# Altium PCB LimePSB-RPCM_1v5.PcbDoc (part 8 of 12) (continued)
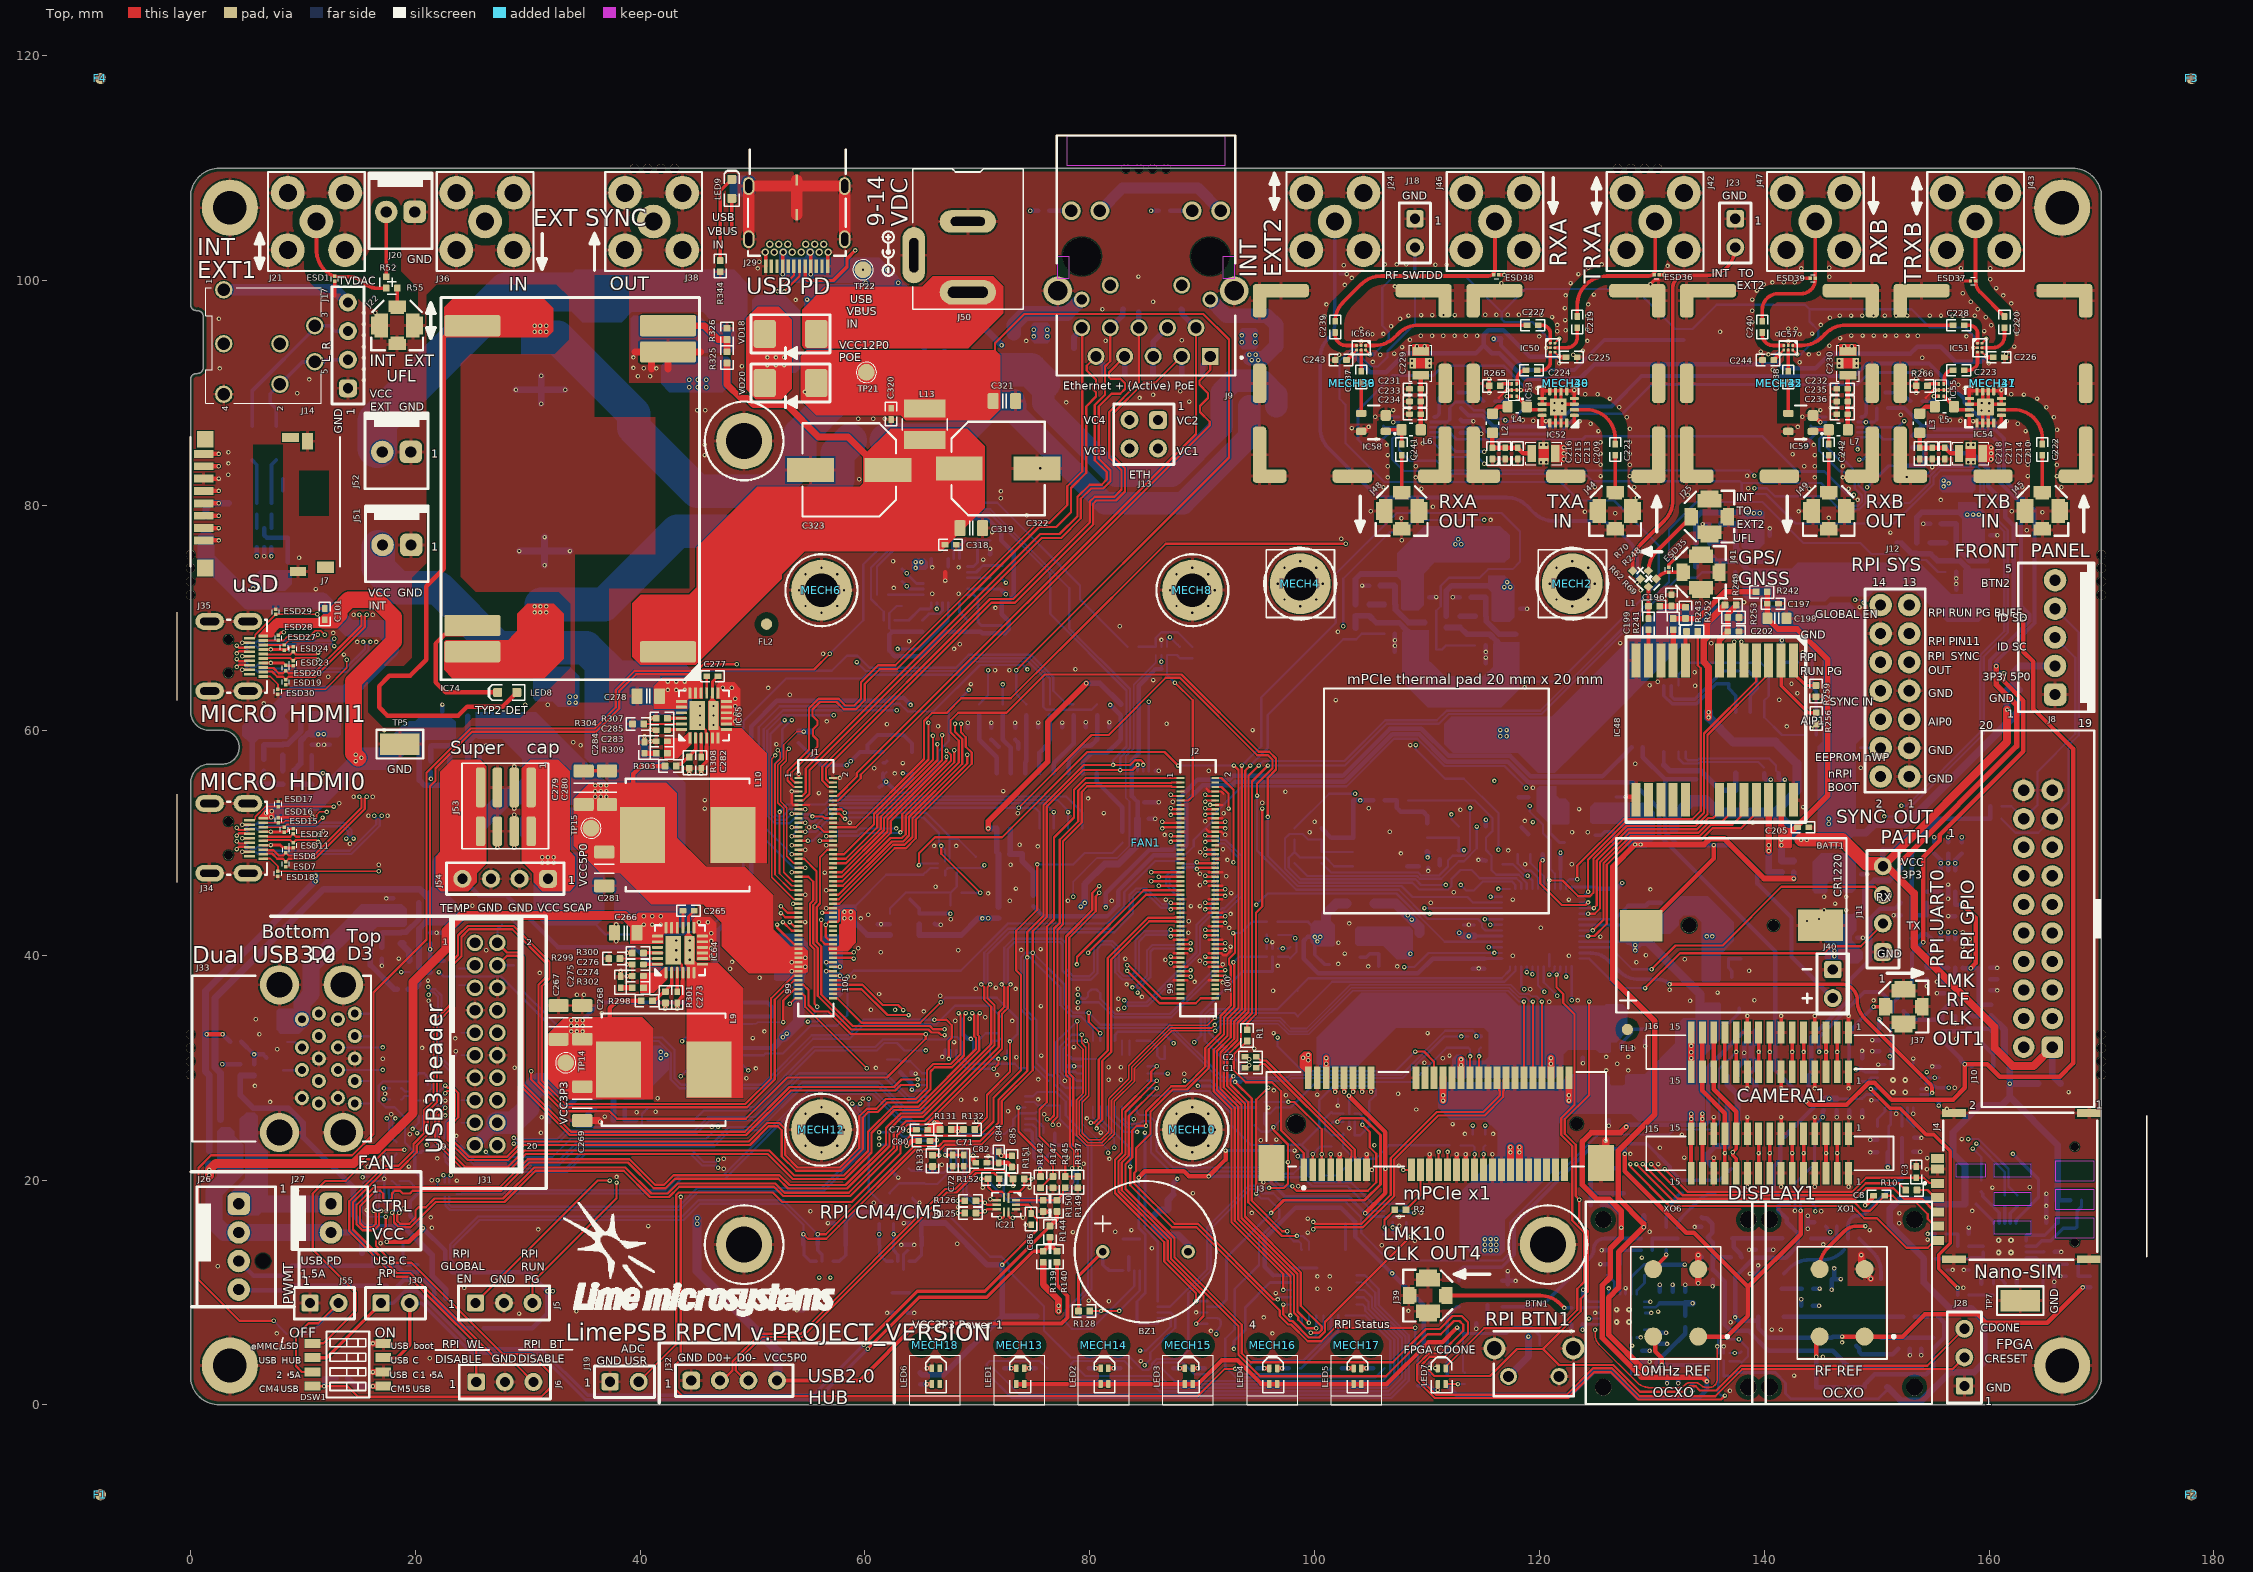
[diagram p0: Top view]
## Nets (pads, with @x,y where several pads share a name; then routed paths per layer and width w, separated by ;. In a path a pad name is that pad's centre, name@x,y a point inside that pad or via, vN(x,y) a via of type N, cw(c..) or ccw(c..) an arc to the next point about the centre after c; other vN are vias at no path point) (continued)
RPI_GPIO6: J1.30 J10.7 | length 134.5
  Top w0.2: v1(55.975,50.175) J1.30@57.165,50.175 ; v1(63.15,50.925) 63.325,51.1 63.325,52.547 67.952,57.174 67.952,58.223 v1(67.95,58.225)
  L3 w0.1: v1(67.95,58.225) 68.375,58.225 68.525,58.375 97.55,58.375 105.325,50.6 125.2,50.6 125.8,51.2 133.142,51.2 138.717,56.775 143.233,56.775 147.05,52.958 147.05,48.4 149.35,46.1 149.35,42.625 150.125,41.85 151.95,41.85 153.75,40.05 158.6,40.05 160.575,38.075 164.255,38.075 J10.7@165.62,39.44
  Bottom w0.2: v1(55.975,50.175) 56.8,50.175 57.25,50.625 59.45,50.625 59.7,50.875 63.1,50.875 v1(63.15,50.925)
RPI_GPIO22: J1.46 J10.3 | length 133.4
  Top w0.2: J1.46@57.165,46.975 57.963,46.975 62,51.012 62,52.071 67.252,57.323 v1(67.252,57.65)
  L3 w0.1: v1(67.252,57.65) 67.627,57.275 69.525,57.275 69.825,57.575 97.342,57.575 104.917,50 125.4,50 125.449,50 126.024,50.575 133.575,50.575 139.175,56.175 142.969,56.175 146.425,52.719 146.425,48.117 148.725,45.817 148.725,42.342 149.817,41.25 151.563,41.25 153.438,39.375 156.017,39.375 159.867,35.525 164.455,35.525 J10.3@165.62,34.36
RPI_GPIO27: J1.48 J10.5 | length 134.8
  Top w0.2: J1.48@57.165,46.575 57.988,46.575 62.3,50.887 62.3,51.946 67.652,57.298 67.652,57.823 v1@67.275,58.2
  L3 w0.1: v1(67.252,58.2) 67.977,57.475 69.442,57.475 69.742,57.775 97.425,57.775 105,50.2 125.317,50.2 125.366,50.2 125.941,50.775 133.492,50.775 139.092,56.375 143.051,56.375 146.625,52.801 146.625,48.2 148.925,45.9 148.925,42.425 149.9,41.45 151.646,41.45 153.521,39.575 156.1,39.575 159.925,35.75 164.47,35.75 J10.5@165.62,36.9
RPI_I2C0_SCL: IC7.2 IC8.6 IC9.6 IC10.6 IC11.6 IC12.8 IC13.2 IC14.6 IC15.8 IC16.6 J1.80 J15.11 J16.13 R12.2 R46.1 R111.1 R154.2 R349.2 TP2.1 | length 348.2
  Top w0.2: v1(55.79,15.17) 56.52,15.17 64.375,23.025 66.576,23.025 67.001,23.45 70.226,23.45 71.875,25.099 71.875,27.149 74.425,29.699 v1(74.425,39.8) 74.425,42.065 75.875,43.515 75.875,53.349 79.451,56.925 v1(82.075,56.925) 83.6,56.925 84.025,57.35 84.55,57.35 84.75,57.15 v1(84.75,56.925) ; J1.80@57.165,40.175 58.846,40.175 58.946,40.275 v1(59,40.275) ; v1(92.925,28.725) 94.4,27.25 94.4,26.633 94.4,18.175 97.125,15.45 v1(97.575,15.45)
  Top w0.325: J15.11@137.5,20.625 137.5,21.9 137.2,22.2 v1(137.2,22.475) 137.5,22.775 J15.11@137.5,24.125
  Top w0.4: J16.13@135.5,33.125 J16.13@135.5,29.625 135.5,28.075 137.5,26.075 J15.11@137.5,24.125
  L3 w0.1: v1(55.79,15.17) 56.14,15.52 62.19,15.52 v1(62.54,15.17) ; v1(59,40.275) 59.475,39.8 v1(74.425,39.8) ; v1(113.05,32.775) 113.8,32.025 114.892,32.025 118.667,28.25 129.275,28.25 134.725,22.8 135.575,22.8 136.325,22.05 136.775,22.05 v1(137.2,22.475) 144.45,29.725 146.025,29.725 147.3,31 147.3,33.05 144.5,35.85 144.5,53.525 142.05,55.975 140.925,55.975 v1(140.575,55.625)
  Bottom w0.2: IC13.2@24.3,12.45 23.65,12.45 23.1,13 23.1,14.275 25.575,16.75 43.749,16.75 45.199,18.2 52.76,18.2 v1(55.79,15.17) ; R349.2@61.066,72.07 61.066,74.592 65.849,79.375 71.026,79.375 76.475,73.926 TP2.1@76.475,72.525 76.475,70.35 83.275,63.55 83.275,58.574 82.075,57.374 v1(82.075,56.925) ; R154.2@78.35,26.625 78.35,27.025 76.85,28.525 76.85,29.125 76.625,29.35 76.325,29.35 75.25,30.425 75.25,34.225 74.175,35.3 74.175,39.55 v1(74.425,39.8) 74.7,39.8 77.367,37.133 77.367,35.583 78.375,34.575 79.225,34.575 80.275,33.525 ; IC15.8@80.275,32.4 80.275,33.525 ; v1(97.575,15.45) 97.575,15.125 98.15,14.55 98.575,14.55 98.8,14.325 98.8,13.85 IC12.8@98.85,13.8 ; R12.2@113.675,32.775 v1(113.05,32.775) 111.549,32.775 107.849,29.075 97.975,29.075 97.725,28.825 91.7,28.825 87,33.525 80.275,33.525 ; IC16.6@132.375,58.1 132.375,57.5 132.825,57.05 134.2,57.05 134.35,57.2 139.45,57.2 IC14.6@139.95,56.7
  Bottom w0.25: IC7.2@84.75,56.4 v1(84.75,56.925)
  Bottom w0.3: IC10.6@55.79,14.225 55.79,13.734 56.175,13.349 IC11.6@56.175,12.825 IC11.6@56.175,12.775 ; R46.1@62.54,16.115 v1(62.54,15.17) IC8.6@62.54,14.225 62.54,13.734 62.925,13.349 IC9.6@62.925,12.775
  Bottom w0.4: IC10.6@55.79,14.225 v1(55.79,15.17) ; v1(92.925,28.725) R111.1@93.375,28.725 ; IC14.6@140.01,56.188 140.01,55.765 140.15,55.625 v1(140.575,55.625)
RPI_I2C0_SDA: IC7.1 IC8.5 IC9.5 IC10.5 IC11.5 IC12.9 IC13.1 IC14.5 IC15.9 IC16.5 J1.82 J15.12 J16.14 R13.2 R45.1 R112.1 R153.2 R348.2 TP1.1 | length 352.7
  Top w0.2: v1(54.52,15.17) 54.92,14.77 56.545,14.77 57.663,15.888 64.499,22.725 66.7,22.725 67.125,23.15 70.35,23.15 72.175,24.975 72.175,27.025 74.925,29.775 v1(74.925,40.225) 74.925,42.141 76.175,43.391 76.175,53.225 79.425,56.475 v1(82.712,56.475) 83.8,56.475 v1(84.25,56.925) ; J1.82@57.165,39.775 58.871,39.775 58.946,39.7 v1(59,39.7) ; v1(79.9,34.875) 79.9,34.075 v1(80.925,33.05) ; v1(92.775,29.225) 92.525,28.975 92.525,28.496 94.1,26.921 94.1,18.025 97.1,15.025 v1(98.425,15.025)
  Top w0.325: J15.12@136.5,20.625 v1(136.5,22.4) J15.12@136.5,24.125
  Top w0.4: J16.14@134.5,33.125 134.5,27.95 136.5,25.95 J15.12@136.5,24.125
  L3 w0.1: v1(54.52,15.17) 54.87,14.82 55.995,14.82 56.345,15.17 v1(61.27,15.17) ; v1(59,39.7) 59.275,39.425 74.575,39.425 74.925,39.775 v1(74.925,40.225) ; v1(114.4,32.8) 118.75,28.45 129.375,28.45 134.825,23 135.9,23 v1(136.5,22.4) 144.025,29.925 145.942,29.925 147.1,31.083 147.1,32.967 144.3,35.767 144.3,53.17 v1(141.845,55.625)
  Bottom w0.2: IC13.1@24.3,13.1 23.7,13.1 23.4,13.4 23.4,14.151 25.699,16.45 43.874,16.45 45.324,17.9 52.636,17.9 54.52,16.016 v1(54.52,15.17) ; R348.2@61.666,69.795 61.666,70.559 60.525,71.7 60.525,74.475 65.725,79.675 71.15,79.675 78.175,72.65 TP1.1@78.175,70.499 78.175,69.074 83.575,63.674 83.575,58.45 82.712,57.587 v1(82.712,56.475) ; R153.2@76.3,28.825 74.925,30.2 74.925,34.126 73.875,35.176 73.875,39.816 74.284,40.225 v1(74.925,40.225) 77.75,37.4 77.75,35.65 78.525,34.875 v1(79.9,34.875) 80.95,33.825 87.124,33.825 91.824,29.125 97.601,29.125 97.851,29.375 107.725,29.375 111.625,33.275 114.075,33.275 114.4,32.95 v1(114.4,32.8) ; IC15.9@80.925,32.4 v1(80.925,33.05) ; v1(98.425,15.025) 98.975,15.025 99.5,14.5 IC12.9@99.5,13.8 ; IC16.5@133.025,58.1 133.025,57.525 133.1,57.45 133.2,57.35 134.076,57.35 134.226,57.5 140.425,57.5 141.055,56.87 141.055,56.413 IC14.5@141.28,56.188
  Bottom w0.25: IC7.1@84.25,56.4 v1(84.25,56.925)
  Bottom w0.3: IC10.5@54.52,14.225 54.577,14.168 54.577,13.323 55.125,12.775 IC11.5@55.675,12.775 ; R45.1@61.27,16.115 v1(61.27,15.17) IC8.5@61.27,14.225 61.327,14.168 61.327,13.323 61.875,12.775 IC9.5@62.425,12.775
  Bottom w0.4: IC10.5@54.52,14.225 v1(54.52,15.17) ; R112.1@92.325,29.225 v1(92.775,29.225) ; v1(114.4,32.8) 114.75,32.8 R13.2@114.775,32.775 ; IC14.5@141.28,56.188 141.28,55.765 141.42,55.625 v1(141.845,55.625)
RPI_ID_SC: J1.35 J8.3 J10.18 R19.1 | length 154.6
  Top w0.2: v1(53.475,48.975) J1.35@54.085,48.975
  L3 w0.1: v1(62.825,61.8) 98.511,61.8 105.789,54.522 119.599,54.522 120.151,55.075 133.558,55.075 137.658,59.175 144.391,59.175 149.116,54.45 156.016,54.45 158.326,52.14 J10.18@163.08,52.14
  Bottom w0.2: v1(53.475,48.975) 51,51.45 51,60.1 52.7,61.8 v1(62.825,61.8) ; R19.1@161.1,53.25 161.97,53.25 J10.18@163.08,52.14 164.3,53.36 164.3,56.325 167.675,59.7 167.675,66.475 J8.3@165.875,68.275
RPI_ID_SD: J1.36 J8.4 J10.17 R16.1 | length 150.8
  Top w0.2: J1.36@57.165,48.975 58.125,48.975 60.8,51.65 60.8,52.568 65.65,57.418 v1(65.65,60.672)
  L3 w0.1: v1(65.65,60.672) 66.503,61.525 98.503,61.525 105.706,54.322 119.682,54.322 120.234,54.875 133.641,54.875 137.741,58.975 144.308,58.975 149.033,54.25 155.933,54.25 158.243,51.94 161.71,51.94 162.61,51.04 164.52,51.04 J10.17@165.62,52.14
  Bottom w0.2: R16.1@161.1,52.15 162.35,50.9 164.38,50.9 J10.17@165.62,52.14 167.075,53.595 167.075,58.676 167.975,59.576 167.975,68.718 J8.4@165.875,70.818
RPI_LED1_G: IC12.18 R71.1 | length 49.1
  Bottom w0.2: R71.1@71.41,3.253 73.763,0.9 106.7,0.9 108.076,2.276 108.076,6.075 105.4,8.751 105.4,9.975 104.5,10.875 IC12.18@103.725,10.875
RPI_LED1_R: IC12.17 R72.1 | length 57.4
  Bottom w0.2: R72.1@76.21,3.253 75.56,3.902 71.102,3.902 70.827,3.627 70.827,2.848 73.075,0.6 106.825,0.6 108.376,2.151 108.376,6.199 105.7,8.875 105.7,10.3 104.475,11.525 IC12.17@103.725,11.525
RPI_LED2_G: IC12.20 R75.1 | length 38.6
  Bottom w0.2: R75.1@78.91,3.253 79.588,2.575 85.425,2.575 86.475,1.525 106.405,1.525 107.425,2.545 107.425,5.877 104.8,8.502 104.8,9.15 104.375,9.575 IC12.20@103.725,9.575
RPI_LED2_R: IC12.19 R77.1 | length 47
  Bottom w0.2: R77.1@83.71,3.253 83.06,3.902 78.602,3.902 78.327,3.627 78.327,2.948 79.125,2.15 85.275,2.15 86.225,1.2 106.575,1.2 107.775,2.4 107.775,5.951 105.1,8.626 105.1,9.55 104.425,10.225 IC12.19@103.725,10.225
RPI_LED3_G: IC12.22 R79.1 | length 28.9
  Bottom w0.2: R79.1@86.41,3.253 87.538,2.125 106.015,2.125 106.725,2.835 106.725,5.725 104.5,7.95 IC12.22@102.75,7.95
RPI_LED3_R: IC12.21 R81.1 | length 36.7
  Bottom w0.2: R81.1@91.21,3.253 90.683,2.725 89.325,2.725 88.275,3.775 86.085,3.775 85.827,3.517 85.827,2.973 86.975,1.825 106.21,1.825 107.075,2.69 107.075,5.803 104.5,8.378 104.5,8.7 104.275,8.925 IC12.21@103.725,8.925
RPI_LED4_G: IC12.24 R85.1 | length 10.4
  Bottom w0.25: R85.1@93.91,3.25 94.563,3.902 98.962,3.902 101.45,6.39 IC12.24@101.45,7.95
RPI_LED4_R: IC12.23 R88.1 | length 6.2
  Bottom w0.25: R88.1@98.71,3.25 98.805,3.25 102.1,6.545 IC12.23@102.1,7.95
RPI_LED_nPWR: IC2.2 J1.95 R14.2 R17.2 | length 12.3
  Top w0.2: v1(52.725,34.05) 52.725,35.975 53.725,36.975 J1.95@54.085,36.975
  Bottom w0.15: IC2.2@49.99,33.89 50.31,33.89 50.47,34.05 v1(52.725,34.05)
  Bottom w0.2: R14.2@45.4,34.775 R17.2@45.4,33.675 45.975,33.675 46.19,33.89 IC2.2@49.99,33.89
RPI_nEXTRST: J1.100 R132.2 | length 30.1
  Top w0.2: 57.525,36.175 59.7,34 64.925,34 v1(66.75,35.825) ; R132.2@69.775,24.5 70.85,25.575 70.85,27.575 72.9,29.625 v1(72.9,32.325)
  Bottom w0.2: v1(66.75,35.825) 67.15,36.225 71.725,36.225 73.575,34.375 73.575,33 v1(72.9,32.325)
RPI_nRPIBOOT: DSW1.1 J1.93 J12.2 | length 266.8
  Top w0.2: DSW1.1@10.85,5.47 11.82,5.47 14.725,8.375 14.725,9.975 10.875,13.825 10.875,18.8 12,19.925 13.799,19.925 15.724,21.85 16.549,21.85 17.399,22.7 v1(19.025,22.7) ; v1(30.3,29.675) 30.3,28.95 33.125,26.125 37.275,26.125 37.95,25.45 49.4,25.45 53.075,29.125 61.95,29.125 65.4,32.575 v1(65.4,32.975) 58.75,32.975 56.725,35 55.55,35 54.975,35.575 54.975,36.9 54.5,37.375 J1.93@54.085,37.375
  L3 w0.1: v1(65.4,32.975) 65.875,32.975 67.325,31.525 68.475,31.525 68.725,31.275 72.625,31.275 74.375,29.525 75.933,29.525 77.608,27.85 78.608,27.85 88.633,17.825 122.591,17.825 123.116,17.3 124.059,17.3 124.809,18.05 137.301,18.05 137.901,18.65 156.391,18.65 167.95,30.209 167.95,55.141 161.691,61.4 154.5,61.4 153.55,62.35 150,62.35 149.125,61.475 149.125,60.3 149.725,59.7 151.075,59.7 151.65,59.125 151.65,57.193 J12.2@150.354,55.896
  L3 w0.2: v1(19.025,22.7) 23.375,22.7 24.75,24.075 27.8,24.075 29,25.275 29,28.375 v1(30.3,29.675)
RPI_PCIE_CLK_N: C1.2 J2.12 | length 37.2
  Top w0.2: v1(90.28,53.675) 90.38,53.775 J2.12@91.165,53.775 ; C1.2@93.8,29.975 93.925,29.975 v1@94.19,30.24
  L3 w0.1: v1@90.271,53.675 90.071,53.875 89.858,53.875 89.7,53.717 89.7,51.8 90.05,51.45 90.6,51.45 91.125,50.925 91.125,49.008 95.375,44.758 95.375,41.191 97.5,39.066 97.5,28.175 96.75,27.425 95.525,27.425 94.925,28.025 94.925,30 94.71,30.215 v1(94.19,30.215)
RPI_PCIE_CLK_nREQ: J2.2 J3.7 | length 39.5
  Top w0.2: J2.2@91.165,55.775 91.725,55.775 92.775,54.725 v1(92.775,48.275) ; J3.7@101.425,20.9 v1(101.425,22.3)
  L3 w0.1: v1(92.775,48.275) 97.9,43.15 97.9,40.875 98.05,40.725 98.05,27.5 101.425,24.125 v1(101.425,22.3)
RPI_PCIE_CLK_P: C2.2 J2.10 | length 37.3
  Top w0.2: v1(90.28,54.275) 90.38,54.175 J2.10@91.165,54.175 ; C2.2@93.8,30.975 93.925,30.975 v1@94.19,30.71
  L3 w0.1: v1@90.271,54.275 90.071,54.075 89.775,54.075 89.5,53.8 89.5,51.717 89.967,51.25 90.517,51.25 90.925,50.842 90.925,50.192 90.925,48.925 95.175,44.675 95.175,41.109 97.3,38.984 97.3,28.258 96.667,27.625 95.608,27.625 95.125,28.108 95.125,30.1 94.486,30.739 v1@94.194,30.739
  other v1: 94.19,30.735
RPI_PCIE_DET_nWAKE: J2.6 R1.1 | length 26
  Top w0.2: J2.6@91.165,54.975 91.725,54.975 92.35,54.35 v1(92.35,53.05) ; R1.1@94,33.375 94,33.975 94.775,34.75 94.775,43.75 95.35,44.325 v1(95.35,53.05)
  L3 w0.1: v1(92.35,53.05) v1(95.35,53.05)
RPI_PCIE_nRST: J2.9 J3.22 | length 47.2
  Top w0.2: v1(87.2,54.275) 87.3,54.175 J2.9@88.085,54.175 ; v1(108.95,31.425) 109.725,31.425 110.625,30.525 J3.22@110.625,29.1
  L3 w0.1: v1(87.2,54.275) 87.178,54.253 87.178,54.003 85.4,52.225 85.4,51.325 88.025,48.7 89.9,48.7 94.15,44.45 94.15,41 96.7,38.45 v1(96.7,32.675)
  Bottom w0.2: v1(96.7,32.675) 96.7,31.9 98.925,29.675 107.2,29.675 v1(108.95,31.425)
RPI_PCIE_RX_N: J2.18 J3.23 | length 49.7
  Top w0.2: v1(90.28,52.475) 90.38,52.575 J2.18@91.165,52.575 ; J3.23@111.025,20.9 v1(111.025,22.5)
  L3 w0.1: v1@90.289,52.475 90.489,52.675 91,52.675 91.4,52.275 91.4,50.475 91.975,49.9 92.034,49.841 94.559,49.841 94.854,49.546 94.854,47.021 95.5,46.375 98.025,46.375 99.1,45.3 99.1,42.775 99.625,42.25 102.55,42.25 103.175,41.625 103.175,38.542 103.967,37.75 106.65,37.75 107.25,37.15 107.25,34.975 109.925,32.3 109.925,30.792 113,27.717 113,26.6 111.325,24.925 111.325,22.8 v1(111.025,22.5)
RPI_PCIE_RX_P: J2.16 J3.25 | length 50
  Top w0.2: v1(90.28,53.075) 90.38,52.975 J2.16@91.165,52.975 ; J3.25@111.825,20.9 v1(111.825,22.5)
  L3 w0.1: v1@90.289,53.075 90.489,52.875 91.083,52.875 91.6,52.358 91.6,50.558 92.116,50.041 94.641,50.041 95.054,49.629 95.054,47.104 95.583,46.575 98.108,46.575 99.3,45.383 99.3,42.858 99.708,42.45 102.633,42.45 103.375,41.708 103.375,38.625 104.05,37.95 106.733,37.95 107.45,37.233 107.45,35.058 110.125,32.383 110.125,30.875 113.2,27.8 113.2,26.517 111.525,24.842 111.525,22.8 v1(111.825,22.5)
RPI_PCIE_TX_N: J2.24 R6.2 | length 50.3
  Top w0.2: J2.24@91.165,51.375 91.95,51.375 v1(92.05,51.275)
  L3 w0.1: v1@92.059,51.275 92.259,51.475 96.05,51.475 96.5,51.025 96.5,48.2 97.175,47.525 100,47.525 100.575,46.95 100.575,44.125 101.275,43.425 104.1,43.425 104.725,42.8 104.725,40.016 105.316,39.425 107.992,39.425 108.117,39.3 108.12,39.3 108.325,39.095 108.325,39.092 108.596,38.821 108.596,36.146 109.166,35.575 111.692,35.575 112.1,35.167 112.1,32.142 112.375,31.867 112.375,29.925 112.975,29.325 115.625,29.325 116.475,28.475 116.475,27.575 115.875,26.975 114.9,26.975 114.525,26.6 114.525,25.3 v1(114.075,24.85)
  Bottom w0.2: R6.2@114.075,24.075 v1(114.075,24.85)
RPI_PCIE_TX_P: J2.22 R8.2 | length 50.7
  Top w0.2: J2.22@91.165,51.775 91.95,51.775 v1(92.05,51.875)
  L3 w0.1: v1@92.059,51.875 92.259,51.675 96.133,51.675 96.7,51.108 96.7,50.258 96.7,48.283 97.258,47.725 100.083,47.725 100.775,47.033 100.775,44.208 101.358,43.625 104.183,43.625 104.925,42.883 104.925,40.099 105.399,39.625 108.075,39.625 108.2,39.5 108.203,39.5 108.525,39.178 108.525,39.175 108.796,38.904 108.796,36.229 109.249,35.775 111.775,35.775 112.3,35.25 112.3,32.225 112.575,31.95 112.575,30.008 113.058,29.525 115.708,29.525 116.675,28.558 116.675,28.283 116.675,27.492 115.958,26.775 114.983,26.775 114.725,26.517 114.725,25.3 v1(115.175,24.85)
  Bottom w0.2: R8.2@115.175,24.075 v1(115.175,24.85)
RPI_PIN16: IC47.2 J1.16 R245.2 R251.1 | length 16.5
  Top w0.2: J1.16@57.165,52.975 57.9,52.975 v1(58.2,52.675)
  Bottom w0.2: v1(58.2,52.675) 65.425,52.675 67.523,50.577 R251.1@67.523,50.351 ; IC47.2@67.523,48.4 R251.1@67.523,50.351 ; R245.2@69.863,48.75 68.261,50.351 R251.1@67.523,50.351
RPI_PIN18: IC47.1 J1.18 R244.2 R250.1 | length 20.2
  Top w0.2: J1.18@57.165,52.575 57.734,52.575 58.184,52.125 v1(58.225,52.125) ; v1(66.775,49.725) 66.775,49.025 v1(70.25,45.55)
  Bottom w0.2: v1(58.225,52.125) 58.35,52.25 65.2,52.25 66.575,50.875 R250.1@66.575,50.475 66.575,49.925 v1(66.775,49.725) 67.123,49.377 IC47.1@67.123,48.35 ; R244.2@68.6,45.55 v1(70.25,45.55)
RPI_PIN111: IC1.4 J2.11 J12.11 R9.2 R11.2 | length 90.9
  Top w0.2: v1(87.575,64.25) 89.15,62.675 89.15,54.15 88.775,53.775 J2.11@88.085,53.775
  L3 w0.1: v1(87.575,64.25) 98.225,64.25 106.325,56.15 132.4,56.15 141.25,65 147.2,65 149.55,67.35 151.636,67.35 J12.11@152.896,68.611
  Bottom w0.2: IC1.4@86.875,66.712 IC1.4@86.875,66.7 ; v1(87.575,64.25) 86.875,64.95 IC1.4@86.875,66.7 ; R9.2@89.125,66.425 R11.2@88.025,66.425 87.75,66.7 IC1.4@86.875,66.7
RPI_PWM0: IC5.3 J1.31 | length 66.1
  Top w0.2: v1(53.475,49.775) J1.31@54.085,49.775
  L3 w0.1: v1(5.9,75.5) 6.25,75.15 6.717,75.15 10.725,71.142 10.725,65.45 16.775,59.4 36.675,59.4 40.625,55.45 45.7,55.45 50.375,50.775 50.375,49.425 50.725,49.075 51.175,49.075 51.45,49.35 51.45,50.05 51.625,50.225 51.95,50.225 52.175,50 52.175,49.325 52.425,49.075 52.775,49.075 v1(53.475,49.775)
  Bottom w0.4: v1(5.9,75.5) IC5.3@5.9,76.275
RPI_PWM1: IC5.1 J1.28 | length 64.7
  Top w0.2: v1(56.555,50.575) J1.28@57.165,50.575
  L3 w0.1: v1(7.2,75.5) 10.925,71.775 10.925,65.533 16.858,59.6 36.758,59.6 36.875,59.483 40.708,55.65 45.783,55.65 50.433,51 53.8,51 54.225,50.575 v1(56.555,50.575)
  Bottom w0.4: v1(7.2,75.5) IC5.1@7.2,76.275
RPI_RUN_PG: IC3.2 J1.92 J5.3 J12.10 R22.2 R27.1 | length 156.3
  Top w0.2: J5.3@30.425,9.075 30.425,10.9 37.9,18.375 v1(37.9,19.775) ; J1.92@57.165,37.775 58.15,37.775 v1(58.45,38.075)
  L3 w0.1: v1(37.9,19.775) 42.399,24.274 42.399,28.024 v1(43.6,29.225)
  L4 w0.1: v1(118.825,54.9) 119.9,55.975 138.7,55.975 148.793,66.068 J12.10@150.354,66.068
  Bottom w0.2: v1(43.6,29.225) 45.825,31.45 R22.2@46.575,31.45 46.925,31.1 IC3.2@49.99,31.1 51,31.1 51.16,31.26 52.685,31.26 55.15,33.725 57.5,33.725 58.425,34.65 R27.1@58.425,34.7 58.425,34.95 58.45,34.975 v1(58.45,38.075) 59,38.625 68.525,38.625 72.725,42.825 81.575,42.825 83.075,44.325 83.075,45.625 85.825,48.375 87.925,48.375 89.25,49.7 89.25,50.25 90.9,51.9 90.9,52.375 93.55,55.025 102.848,55.025 107.073,59.25 109.127,59.25 111.552,56.825 116.9,56.825 v1(118.825,54.9)
RPI_RUN_PG_BUFF: IC3.4 J12.13 R22.1 | length 195.4
  L3 w0.1: v1(49.625,29.75) 51.2,28.175 56.55,28.175 58.75,25.975 60.525,25.975 61.675,27.125 66.1,27.125 67.325,28.35 76.5,28.35 77.5,27.35 78.4,27.35 88.325,17.425 122.425,17.425 122.95,16.9 124.225,16.9 124.975,17.65 137.467,17.65 138.067,18.25 156.556,18.25 168.35,30.044 168.35,72.983 167.033,74.3 166.622,74.711 165.211,74.711 162.275,71.775 154.984,71.775 154.363,71.154 J12.13@152.896,71.154
  Bottom w0.2: R22.1@46.575,30.45 46.585,30.44 IC3.4@48.06,30.44 48.935,30.44 v1(49.625,29.75)
RPI_SD_CLK: J1.57 J7.5 | length 79.5
  Top w0.2: v1(53.6,44.575) J1.57@54.085,44.575
  Top w0.4: J7.5@1.18,81.3 v1(2.5,81.3)
  L3 w0.1: v1(2.5,81.3) 3.3,82.1 3.825,82.1 4.4,81.525 5.325,81.525 5.9,82.1 6.425,82.1 7.45,81.075 7.45,80.6 6.525,79.675 6.525,76.975 5.45,75.9 5.45,75.225 5.85,74.825 6.542,74.825 10.371,70.996 10.371,65.304 16.75,58.925 25.1,58.925 25.775,58.25 27.7,58.25 28.075,58.625 28.475,58.625 28.85,58.25 29.55,58.25 29.925,58.625 30.275,58.625 30.65,58.25 37.125,58.25 40.475,54.9 43.275,54.9 v1(53.6,44.575)
RPI_SD_CMD: J1.62 J7.3 | length 79.9
  Top w0.2: v1(56.18,43.775) J1.62@57.165,43.775
  Top w0.4: J7.3@1.18,79.1 v1(2.5,79.1)
  L3 w0.1: v1(2.5,79.1) 3.675,80.275 5.8,80.275 6.05,80.025 6.05,77.05 4.825,75.825 4.825,75.45 5.75,74.525 6.392,74.525 10.053,70.864 10.053,65.172 16.6,58.625 24.95,58.625 25.65,57.925 36.95,57.925 40.3,54.575 42.975,54.575 53.775,43.775 54.376,43.775 55.076,44.475 55.48,44.475 v1(56.18,43.775)
RPI_SD_D0: J1.63 J7.7 | length 79.4
  Top w0.2: v1(52.525,43.75) 52.9,43.375 J1.63@54.085,43.375
  Top w0.4: J7.7@1.18,83.5 v1(2.5,83.5)
  L3 w0.1: v1(2.5,83.5) 2.125,83.5 1.95,83.325 1.95,77.875 2.225,77.6 3.075,77.6 3.3,77.375 3.3,75.5 5.075,73.725 6.342,73.725 9.452,70.615 9.452,64.923 16.4,57.975 24.7,57.975 25.425,57.25 26.562,57.25 26.887,56.925 27.3,56.925 27.625,57.25 29.975,57.25 30.325,56.9 30.9,56.9 31.25,57.25 32.075,57.25 32.425,56.9 33.375,56.9 33.725,57.25 34.55,57.25 34.9,56.9 35.5,56.9 35.85,57.25 36.7,57.25 40,53.95 42.325,53.95 v1(52.525,43.75)
RPI_SD_D1: J1.67 J7.8 | length 79.9
  Top w0.2: v1(53.3,42.95) 53.675,42.575 J1.67@54.085,42.575
  Top w0.4: J7.8@1.18,84.6 v1(2.5,84.6)
  L3 w0.1: v1(2.5,84.6) 1.7,83.8 1.7,77.771 2.121,77.35 2.675,77.35 2.95,77.075 2.95,75.075 4.65,73.375 6.242,73.375 9.134,70.483 9.134,64.791 16.25,57.675 24.6,57.675 25.85,56.425 37.025,56.425 39.825,53.625 41.925,53.625 52.175,43.375 52.875,43.375 v1(53.3,42.95)
RPI_SD_D2: J1.69 J7.1 | length 80.1
  Top w0.2: v1(52.7,42.95) 53.475,42.175 J1.69@54.085,42.175
  Top w0.4: J7.1@1.18,76.9 v1(2.5,76.9)
  L3 w0.1: v1(2.5,76.9) 2.5,74.925 4.425,73 6.192,73 8.833,70.359 8.833,64.667 16.125,57.375 24.35,57.375 25.825,55.9 30.7,55.9 cw(c30.7,55.65) 30.95,55.65 30.95,54.556 ccw(c31.22,54.556) 31.22,54.286 31.28,54.286 ccw(c31.28,54.556) 31.55,54.556 31.55,55.63 cw(c31.82,55.63) 31.82,55.9 31.88,55.9 cw(c31.88,55.63) 32.15,55.63 32.15,54.556 ccw(c32.42,54.556) 32.42,54.286 32.48,54.286 ccw(c32.48,54.556) 32.75,54.556 32.75,55.63 cw(c33.02,55.63) 33.02,55.9 33.08,55.9 cw(c33.08,55.63) 33.35,55.63 33.35,54.556 ccw(c33.62,54.556) 33.62,54.286 33.68,54.286 ccw(c33.68,54.556) 33.95,54.556 33.95,55.63 cw(c34.22,55.63) 34.22,55.9 34.25,55.9 37.05,55.9 39.65,53.3 41.6,53.3 51.725,43.175 52.475,43.175 v1(52.7,42.95)
RPI_SD_D3: J1.61 J7.2 | length 79.4
  Top w0.2: v1(52.525,44.35) 53.1,43.775 J1.61@54.085,43.775
  Top w0.4: J7.2@1.18,78 v1(2.5,78)
  L3 w0.1: v1(2.5,78) 3.4,78 3.525,78.125 3.525,78.45 3.125,78.85 3.125,79.175 3.475,79.525 5.5,79.525 5.725,79.3 5.725,78.762 5.45,78.487 5.45,78.163 5.725,77.887 5.725,77.3 5.525,77.1 5.088,77.1 4.813,77.375 4.487,77.375 4.213,77.1 3.775,77.1 3.6,76.925 3.6,75.875 5.375,74.1 6.392,74.1 9.753,70.739 9.753,65.047 16.5,58.3 24.825,58.3 25.525,57.6 36.775,57.6 40.125,54.25 42.625,54.25 v1(52.525,44.35)
RPI_SD_PWR_ON: IC4.3 J1.75 R23.1 | length 51.3
  Top w0.2: v1(52.175,42.725) 52.175,42.475 53.675,40.975 J1.75@54.085,40.975
  L3 w0.4: v1(11.775,56.2) 22.65,56.2 24.15,54.7 29.2,54.7 31.325,52.575 40.925,52.575 50.775,42.725 v1(52.175,42.725)
  Bottom w0.4: IC4.3@10.8,57.775 R23.1@10.8,56.2 v1(11.775,56.2)
RPI_SPI0_MISO: IC72.1 IC73.1 J1.40 J10.11 R116.2 R118.1 | length 248.3
  Top w0.2: J1.40@57.165,48.175 58.315,48.175 61.4,51.26 61.4,52.319 66.45,57.369 v1(66.45,58.775)
  L3 w0.1: v1(66.45,58.775) 66.65,58.975 97.981,58.975 105.206,51.75 114.125,51.75 114.415,51.46 119.61,51.46 119.975,51.825 132.886,51.825 138.436,57.375 143.545,57.375 148.57,52.35 v1(150.675,52.35) 154.775,52.35 155.975,51.15 155.975,50.375 161.8,44.55 161.8,44.244 162.669,43.375 164.475,43.375 J10.11@165.62,44.52
  L4 w0.2: v1(139.125,81.55) v1(139.125,82.65)
  Bottom w0.2: R118.1@98.21,48.19 99.35,47.05 109.099,47.05 109.349,46.8 111.255,46.8 R116.2@112.815,48.36 113.28,48.36 114.425,49.505 v1(114.425,51.45) ; IC72.1@107.5,85.625 107.5,84.95 108.45,84 110.85,84 111.725,83.125 138.65,83.125 v1(139.125,82.65) ; v1(139.125,81.55) 140.225,81.55 140.95,80.825 145.553,80.825 146.703,79.675 148.465,79.675 149,80.21 ; IC73.1@145.5,85.625 145.5,85.25 146.775,83.975 147.175,83.975 148.375,82.775 148.375,81.825 149,81.2 149,80.21 ; v1(150.675,52.35) 152.175,52.35 159.525,59.7 159.525,66.576 161.668,68.719 161.668,77.832 160.85,78.65 160.85,79.95 159.525,81.275 159.525,82.874 158.949,83.45 155.576,83.45 154.75,82.624 154.75,82.024 152.951,80.225 149.015,80.225 149,80.21
RPI_SPI0_MOSI: J1.44 J10.9 R114.2 R115.1 R211.1 | length 167.6
  Top w0.2: J1.44@57.165,47.375 57.939,47.375 61.7,51.136 61.7,52.195 66.852,57.347 v1(66.852,59.575)
  L3 w0.1: v1(66.852,59.575) 67.027,59.4 98.6,59.4 103.625,54.375 104.025,54.375 105.875,52.525 v1(112.175,52.525) 112.44,52.26 114.585,52.26 114.85,52.525 118.2,52.525 118.425,52.3 132.796,52.3 138.271,57.775 143.811,57.775 148.636,52.95 154.817,52.95 156.912,50.855 156.912,50.33 157.293,49.949 158.124,49.949 162.373,45.7 166.375,45.7 166.8,45.275 166.8,43.16 J10.9@165.62,41.98 166.8,40.8 166.8,31.125 158.925,23.25 v1(158.875,23.25)
  Bottom w0.2: R114.2@98.21,51.29 101.295,54.375 v1(103.6,54.375) ; v1(112.175,52.525) 112.175,52.1 R115.1@112.815,51.46 ; v1(158.875,23.25) 161.4,20.725 R211.1@161.4,18.65
RPI_SPI0_SCLK: IC72.2 IC73.2 J1.38 J10.13 R113.1 R209.1 | length 290.4
  Top w0.2: J1.38@57.165,48.575 58.291,48.575 61.1,51.384 61.1,52.443 66.05,57.393 v1(66.05,59.525)
  L3 w0.1: v1(66.05,59.525) 66.55,60.025 67,60.025 67.425,59.6 99.1,59.6 105.325,53.375 113.55,53.375 v1(113.825,53.1) 118.725,53.1 118.925,52.9 119.875,52.9 120.525,53.55 133.263,53.55 133.763,53.55 138.188,57.975 143.894,57.975 148.569,53.3 v1(152.2,53.3) 154.75,53.3 157.112,50.938 157.112,50.413 157.376,50.149 158.207,50.149 162.456,45.9 164.46,45.9 J10.13@165.62,47.06 167,45.68 167,31.042 161.858,25.9 159.225,23.267 159.225,23.105 158.92,22.8 v1(158.55,22.8)
  Bottom w0.2: R113.1@100.635,48.19 101.475,47.35 109.225,47.35 109.475,47.1 111.075,47.1 111.875,47.9 111.875,48.45 112.285,48.86 113.356,48.86 113.825,49.329 v1(113.825,53.1) ; IC72.2@107.5,86.075 107.488,86.063 107.017,86.063 106.9,85.946 106.9,84.1 107.925,83.075 111.351,83.075 111.601,82.825 124.075,82.825 124.725,82.175 137.825,82.175 138,82 ; IC73.2@145.5,86.075 145.05,86.075 144.9,85.925 144.9,84.875 146.75,83.025 147.05,83.025 148.05,82.025 148.05,81.55 148.7,80.9 148.7,80.334 148.341,79.975 147.075,79.975 145.05,82 138,82 ; v1(152.2,53.3) 152.675,53.3 159.225,59.85 159.225,66.7 161.35,68.825 161.35,77.7 160.55,78.5 160.55,79.8 159.45,80.9 159.45,80.926 159.225,81.151 159.225,82.75 158.825,83.15 155.7,83.15 155.05,82.5 155.05,81.9 151.55,78.4 142.775,78.4 140.15,81.025 138.275,81.025 138,81.3 138,82 ; v1(158.55,22.8) 159.3,22.05 R209.1@159.3,19.95
RPI_SPI0_SS0: J1.39 R119.2 | length 77.3
  Top w0.15: v1(53.225,58.375) 53,58.15 53,57.3 52.5,56.8 52.5,53.675 53.05,53.125 53.05,48.8 53.675,48.175 J1.39@54.085,48.175
  L3 w0.1: v1(53.225,58.375) 56.075,58.375 56.375,58.675 65.8,58.675 66.325,59.2 98.048,59.2 105.188,52.06 v1(115.24,52.06)
  Bottom w0.4: R119.2@115.24,51.46 v1(115.24,52.06)
RPI_SPI0_SS1: J1.37 R212.1 | length 133.2
  Top w0.2: J1.37@54.085,48.575 54.599,48.575 55.695,47.479 55.695,44.746 55.4,44.451 55.4,41.049 55.8,40.649 55.8,36.383 58.783,33.4 65.651,33.4 65.926,33.125 66.55,33.125 66.775,32.9 v1(67.075,32.9)
  L3 w0.1: v1(67.075,32.9) 67.325,32.65 68.2,32.65 68.975,31.875 75.475,31.875 88.925,18.425 122.839,18.425 123.364,17.9 123.811,17.9 124.561,18.65 137.05,18.65 138.275,19.875 154.375,19.875 v1(158.15,23.65)
  Bottom w0.2: v1(158.15,23.65) 159.05,23.65 161.725,20.975 161.725,19.425 R212.1@162.5,18.65
RPI_SPI1_MISO: IC6.12 IC18.10 J1.26 | length 72.6
  Top w0.2: v1(55.525,51.425) 55.9,51.425 56.35,50.975 J1.26@57.165,50.975
  L3 w0.1: v1(76.793,52.737) 77.181,53.125 80.817,53.125 82.817,55.125 87.242,55.125 89.117,57 92.133,57 92.658,56.475 97.5,56.475 v1(109.775,44.2)
  Bottom w0.2: v1(55.525,51.425) 57.625,53.525 76.025,53.525 76.795,52.755 IC6.12@76.795,51.275 ; v1@109.875,44.2 IC18.10@116.675,44.2
RPI_SPI1_MOSI: IC6.11 IC18.9 J1.27 | length 74.8
  Top w0.2: v1(53.475,50.575) J1.27@54.085,50.575
  L3 w0.1: v1(78.065,52.735) 80.71,52.735 82.9,54.925 87.325,54.925 89.2,56.8 92.05,56.8 92.575,56.275 97.175,56.275 109.75,43.7 v1(110.225,43.7)
  Bottom w0.2: v1(53.475,50.575) 53.875,50.975 53.875,51.521 54.529,52.175 54.875,52.175 55.15,51.9 55.475,51.9 57.4,53.825 77.1,53.825 78.065,52.86 v1(78.065,52.735) IC6.11@78.065,51.275 ; v1(110.225,43.7) IC18.9@116.675,43.7